# KiCad board Partial_Drawer_Controller_v1_hotfix.kicad_pcb (continued)
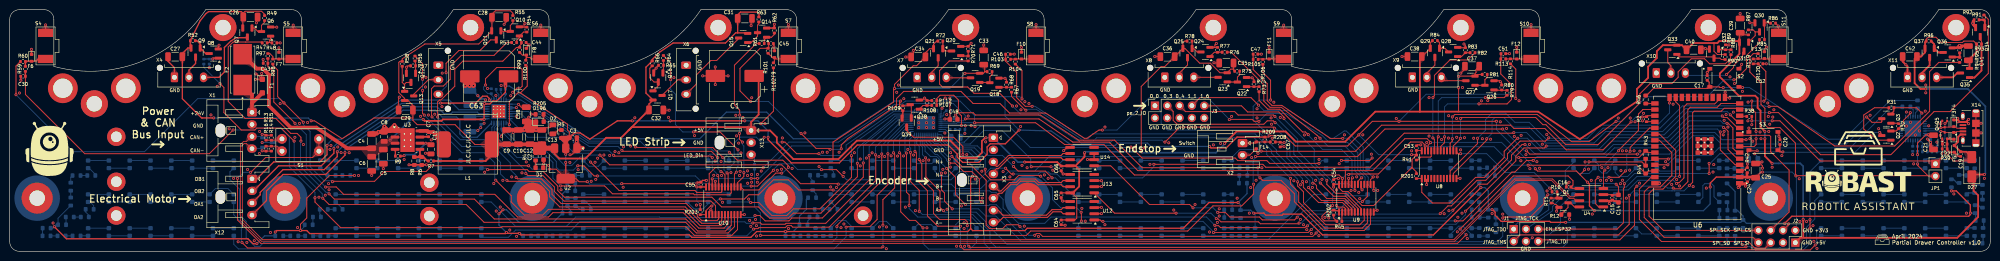
[diagram p0: board, top side]
## Routing (per net, layer and track width the routed paths; a pad name or vN(x,y) marks a point on that pad's centre or on a via; arc(x,y) is an arc through that point) (continued)
  Top w0.18: v1(299.4,23.4) 299.4,23.3 297.9,21.8 U8.14 ; 355.1,40.69 355.1,39.87 354.03,38.8 350.8,38.8 349.76,39.84 347,39.84 344.3,37.13 344.3,36 343,34.7 338.5,34.7 336.4,32.6 336.4,30.7 327.8,22.1 321.1,22.1 317,26.2 316.4,26.2 314.9,27.7 299.6,27.7 v1(299.4,27.5)
  Bottom w0.18: v1(299.4,27.5) v1(299.4,23.4)
Lock_7_Open_Control: length 83.1
  Top w0.18: v1(331.5,26.9) 325.9,22.71 322.3,22.7 317,26.9 315.2,28.3 298.2,28.3 v1(297.7,27.8) ; U8.15 297.25,22.35 297.7,22.8 v1(297.7,23.3) ; R85.1 361.09,43.19 358.4,40.5 358.4,37.8 356.1,35.5 v1(355.8,35.5)
  Bottom w0.18: v1(297.7,23.3) v1(297.7,27.8) ; v1(355.8,35.5) 353.8,35.5 350.3,32 337.76,32 332.66,26.9 v1(331.5,26.9)
Lock_7_VDD_Close: length 5.1
  Top w0.18: Q33.3 342.16,39.04 342.8,38.4 X10.2
Lock_7_VDD_Open: length 15.1
  Top w0.18: Q31.3 357.6,41.1 357.6,40.3 355.74,38.44 355.74,38.04 v1(354.3,36.6)
  Bottom w0.18: X10.3 346.3,36.4 354.1,36.4 v1(354.3,36.6)
Lock_8_Close_Control: length 133.7
  Top w0.18: U8.10 297.25,16.65 302.9,22.3 v1(302.9,23.4) 302.9,23.3 ; v1(363.06,29.93) 363.12,30 364.8,30 376.6,21.8 389,21.8 396.2,29 396.2,37.2 398.1,39.1 R94.1
  Bottom w0.18: v1(302.9,23.4) 304.55,25.05 304.55,27.25 305.9,28.6 308.7,28.6 310.6,26.7 313.55,26.7 317.35,22.9 326.2,22.9 328.8,25.5 340.6,25.5 345.2,30.1 362.2,30.1 362.37,29.93 v1(363.06,29.93)
Lock_8_Open_Control: length 146.6
  Top w0.18: U8.11 297.9,16.1 304.81,23.01 v1(304.81,23.31) ; R91.1 408.3,48 408.3,36.8 400.4,28.9 397.1,28.9 388.2,20 373.7,20 365,28.7 v1(363.1,28.7) 363.2,28.7
  Bottom w0.18: v1(363.1,28.7) 359.5,28.7 358.65,29.55 345.85,29.55 341.1,24.8 329.35,24.8 326.95,22.4 316.87,22.4 313.57,25.7 310.3,25.7 308.3,27.7 306.5,27.7 305.9,27.1 305.9,24.4 v1(304.81,23.31)
Lock_8_VDD_Close: length 4.8
  Top w0.35: Q37.3 396.2,38.5 394.63,36.93 X11.2
Lock_8_VDD_Open: length 5.3
  Top w0.35: Q35.3 401.9,36.9 401,36 X11.3
pe_0_~INT: length 238
  Top w0.18: v1(144.9,9.37) 144.64,9.37 143.7,8.43 U10.1 ; U6.4 356.07,17.9 353,20.97 v1(353,24.7) ; v1(169.93,12.69) 169.92,12.7 162.8,12.7 160.7,14.8 157.6,14.8 154.5,11.7 152.5,11.7 151.63,10.83 v1(146.67,10.83) ; v1(248.69,5.38) 248.77,5.3 249.47,5.3 249.87,4.9 267.24,4.9 267.42,5.08 267.62,5.08 v1(267.81,5.28) ; v1(298.3,6.3) 299.9,6.3 310,16.4 310.6,16.4 313.01,18.81 v1(314.4,18.81) ; R203.2 143.69,7.59
  Bottom w0.18: v1(353,24.7) 352.4,25.3 346.8,25.3 342.9,21.4 331.15,21.4 329.35,19.6 315.21,19.6 314.41,18.8 v1(314.4,18.81) ; v1(146.67,10.83) 146.36,10.83 v1(144.9,9.37) ; v1(298.3,6.3) 268.84,6.3 v1(267.81,5.28) ; v1(169.93,12.69) 170.1,12.52 202.24,12.52 202.56,12.2 203.54,12.2 205,10.74 205,8.97 208.17,5.8 213.6,5.8 214.9,7.1 246.97,7.1 v1(248.69,5.38) 248.6,5.29
pe_1_~INT: length 85.7
  Top w0.18: v1(311.2,23.4) 311.1,23.4 308.4,20.7 308.4,19.4 304.3,15.3 302.5,15.3 297.2,10 293.6,10 291.4,12.2 U8.1 291.38,15.05 R201.2 ; v1(354.38,26.49) 354.64,26.49 355.6,25.52 355.6,21.33 356.49,20.44 U6.6
  Bottom w0.18: v1(311.2,23.4) 313.17,23.4 315.87,20.7 328.6,20.7 330.7,22.8 342.4,22.8 346.6,27 353.07,27 353.58,26.49 v1(354.38,26.49)
pe_2_IO0_0: length 52.4
  Top w0.18: 267,14.4 266.84,14.4 v1(266.79,14.45) 266.79,14.18 266.96,14.01 266.96,13.24 270.1,10.1 275.04,10.1 276.27,8.86 U9.4
  Bottom w0.18: J3.1 237.6,28.88 237.6,26.5 239,25.1 257.3,25.1 261.4,21 261.4,20.4 266.79,15.01 v1(266.79,14.45)
pe_2_IO0_3: length 52.5
  Top w0.18: J3.3 240.1,28.92 240.1,27.1 240.9,26.3 258.8,26.3 259.5,27 260.75,27 v1(261.14,26.62) ; v1(270.45,14.15) 273.2,11.4 275.69,11.4 278.23,8.86 U9.7
  Bottom w0.18: v1(270.45,14.15) 270.21,14.39 270.21,14.89 265,20.1 265,22.9 261.28,26.62 v1(261.14,26.62)
pe_2_IO0_4: length 49
  Top w0.18: v1(271.8,14.7) 271.8,13.86 273.66,12 275.74,12 278.88,8.86 U9.8 ; v1(261.1,27.9) 260.8,28.2 253.5,28.2 252.8,28.9 242.66,28.9 J3.5
  Bottom w0.18: v1(271.8,14.7) 271.8,14.73 265.8,20.73 265.8,23.2 v1(261.1,27.9)
pe_2_IO1_1: length 50.2
  Top w0.18: v1(257.72,30.24) 256.15,31.8 245.62,31.8 J3.7 ; 281.1,15.4 v1(281.4,15.4) 280.82,14.83 U9.14
  Bottom w0.18: v1(281.4,15.4) 281.2,15.4 280.12,16.48 279.74,16.48 279.3,16.93 279.3,21.6 275.8,24.9 275.4,24.9 273,23.3 272.7,23.3 264.1,29.1 258.85,29.1 v1(257.72,30.24)
pe_2_IO1_6: length 41.7
  Top w0.18: v1(262.97,27.47) 262.97,27.77 261.9,28.83 255.47,28.83 254.2,30.1 246.54,30.1 J3.9 ; U9.19 277.57,12.62 v1(277.6,12.6)
  Bottom w0.18: v1(262.97,27.47) 262.97,27.33 269.2,21.1 269.2,18.2 273.4,14 276.23,14 277.6,12.63 v1(277.6,12.6) 277.68,12.68
pe_2_~INT: length 103.6
  Top w0.18: v1(272.2,6.9) 272.2,7.9 272.83,8.53 R202.2 273.57,8.53 273.7,8.4 274.05,8.4 U9.1 ; v1(312.7,22.1) 312.1,22.1 309.9,19.9 309.9,18.9 304.9,13.9 303.2,13.9 v1(297.8,8.5) ; U6.5 356.49,19.17 354.6,21.06 354.6,24.86 353.83,25.62 v1(353.67,25.62)
  Bottom w0.18: v1(297.8,8.5) 297.8,8.3 296.4,6.9 v1(272.2,6.9) ; v1(353.67,25.62) 353.34,25.95 346.55,25.95 342.7,22.1 330.95,22.1 329.05,20.2 314.7,20.2 312.8,22.1 v1(312.7,22.1)
RTS: length 7
  Top w0.18: v1(392.2,28.7) 392.2,28.5 390.8,27.1 390.8,26.39 R32.2 389.79,25.39 389.3,24.9 Q2.2
  Bottom w0.18: U5.24 392.25,28.65 v1(392.2,28.7)
RXD: length 2.3
  Bottom w0.18: U5.25 392.8,27.9 392.8,29.3 392.23,29.88 R29.2
RXD0: length 60.9
  Top w0.18: 339.45,19.06 339.53,19.14 342.26,19.14 v1(342.3,19.1)
  Bottom w0.18: 342.5,19.1 342.6,19.2 ; 342.5,19.1 v1(342.3,19.1) ; 342.5,19.1 347.3,23.9 351.5,23.9 353.2,22.2 379,22.2 388.02,31.23 R30.1
SCL: length 226.3
  Top w0.18: v1(313.33,17.83) 313.36,17.81 328.22,17.81 328.32,17.9 335.77,17.9 337.6,16.08 338.15,16.63 U6.36 ; U10.23 144.35,16.05 145.6,17.3 v1(155.5,17.3) ; v1(199.1,26.6) 211.7,26.6 217.7,22.1 225.8,22.1 232.1,15.8 274.32,15.8 275,15.12 v1(275,15.1) 275,13.88 274.98,13.85 ; v1(276.3,15.9) 276.3,16 ; 276.3,16 276.4,16.1 ; 276.3,16 282.45,16 289.07,22.62 291.44,22.62 292.1,21.96 v1(292.1,21.8) 292.1,20.85 U8.23
  Bottom w0.18: 275.1,15.2 v1(275,15.1) 275.8,15.9 v1(276.3,15.9) ; U7.42 195.32,26.4 195.54,26.62 199.08,26.62 v1(199.1,26.6) 199.1,28.1 196.1,31.1 184.9,31.1 183.9,30.4 182.6,30.4 171,22.6 160.8,22.6 v1(155.5,17.3) ; v1(292.1,21.8) 292.25,21.65 306.3,21.65 310.12,17.83 v1(313.33,17.83)
SDA: length 222.8
  Top w0.18: U8.22 292.7,21.96 v1(293.23,22.49) 293.23,22.56 292.49,23.3 287.9,23.3 281.3,16.7 275.62,16.7 ; v1(144.98,15) 144.98,13.35 U10.22 ; U9.22 275.62,16.7 ; v1(197.2,27.4) 212.4,27.4 219.4,22.6 226.9,22.6 232.8,16.7 275.62,16.7 ; U6.33 337.96,20.44 R43.2 336.2,19.4 v1(311.4,19.4) ; v1(153,15.1) v1(154.32,15.1)
  Bottom w0.18: v1(293.23,22.49) 293.29,22.55 307.85,22.55 311,19.4 v1(311.4,19.4) ; v1(153,15.1) 145.08,15.1 v1(144.98,15) ; v1(154.32,15.1) 154.65,15.1 161.35,21.8 171.2,21.8 182.7,29.8 184,29.8 185.1,30.6 194.7,30.6 197.2,28.1 v1(197.2,27.4) 196.8,27 195.38,27 195.18,26.8 U7.41
Sense_Input_Drawer_Closed_1: length 24.9
  Top w0.18: v1(268.02,13.2) 268.02,13.18 270.7,10.5 275.29,10.5 276.93,8.86 U9.5 ; R208.1 262.14,22.63 C67.1 262.27,22.5 v1(263,22.5)
  Bottom w0.18: v1(263,22.5) 263.57,21.93 263.57,19.33 268.3,14.6 268.3,13.53 268.23,13.46 268.23,13.41 v1(268.02,13.2)
Sense_Lock_1: length 176.8
  Top w0.18: U10.11 150.2,4.5 149.01,3.31 141.28,3.31 139.5,5.1 101.6,5.1 101.4,4.9 68.3,4.9 63,10.2 v1(63,11.1) ; C30.1 3.24,32.46 15.5,20.2 41.2,20.2 v1(46.1,25.1)
  Top w0.25: R59.1 C30.1
  Bottom w0.18: v1(63,11.1) 63,12.2 57.7,17.5 57.7,23.7 55.9,25.5 50.99,25.5 50.6,25.11 46.11,25.11 v1(46.1,25.1)
Sense_Lock_2: length 121.4
  Top w0.18: v1(65.2,13.3) 65.22,13.32 67.38,13.32 68.9,11.8 100.1,11.8 104.8,7.1 111.2,7.1 112.1,8 139,8 142.2,4.8 147.4,4.8 148.25,5.65 U10.8 ; 53,39.9 R97.1 53.28,38.32 54.5,37.1 54.5,30.9 58.89,26.51 v1(58.89,26.48)
  Bottom w0.18: v1(58.89,26.48) 61.2,24.16 61.2,17.3 v1(65.2,13.3)
Sense_Lock_3: length 97.7
  Top w0.18: C44.1 105.6,42.9 105.22,42.52 R99.1 104.59,42.19 101.75,39.35 93.5,39.35 91.85,37.7 91.85,34.17 88.98,31.3 88.69,31.3 88.31,30.92 88.31,27.81 v1(88.3,27.8) ; U10.5 146.3,6.7 146,6.4 142.77,6.4 141.89,7.28 141.89,7.61 139.6,9.9 113.8,9.9 111.9,11.8 111.9,12.8 109.7,15 104.8,15 v1(104.5,15.3)
  Bottom w0.18: v1(104.5,15.3) 104.5,15.7 103.3,16.9 103.3,18.3 98.5,23.1 93,23.1 v1(88.3,27.8)
Sense_Lock_4: length 173.3
  Top w0.18: v1(257.8,26.9) 256.8,26.9 256.4,27.3 251.72,27.3 v1(251.68,27.26) ; U9.17 278.88,12.93 v1(279.08,12.72) ; v1(225.5,25.1) 224.8,25.1 224.2,24.7 222.28,23.38 221.8,23.38 213.79,28.61 206.33,28.61 204.34,30.6 198.8,30.6 196.3,33.1 184.5,33.1 183,31.6 183,30.2 172.9,23.3 171.6,22 v1(171.6,21.2) ; v1(169.31,21.1) 169.11,21.3 166.4,21.3 v1(163.3,24.4) ; v1(152.9,31) 150.7,33.2 150.7,37.85 154.86,42.01 R101.1 156.62,42.13 C45.1
  Bottom w0.18: v1(225.5,25.1) 228.5,25.1 235.2,31.8 247.2,31.8 251.68,27.32 v1(251.68,27.26) ; v1(163.3,24.4) 163.2,24.4 156.6,31 v1(152.9,31) ; v1(279.08,12.72) 279.08,12.73 279.7,13.35 279.7,15.35 278.2,16.85 278.2,20.4 276.1,22.5 272.3,22.5 270.8,24 263.4,28.5 259.4,28.5 v1(257.8,26.9) ; v1(171.6,21.2) 171.5,21.1 v1(169.31,21.1)
Sense_Lock_5: length 97.2
  Top w0.18: v1(265.78,14.4) 265.78,13.52 267,12.3 267,10.07 271.57,5.5 278.6,5.5 279.52,6.42 U9.9 ; C46.1 205.51,40.77 R103.1 205.51,39.34 207.8,37.05 207.8,31.79 209.59,30 v1(211,30)
  Bottom w0.18: v1(211,30) 211.6,30 221.8,23.3 222.5,23.3 223.5,24.3 257,24.3 260.4,20.9 260.4,20.3 265.78,14.92 v1(265.78,14.4)
Sense_Lock_6: length 44.5
  Top w0.18: C47.1 R105.1 256.6,37.6 259.5,34.7 259.5,31.17 260.47,30.2 262.5,30.2 272.5,23.38 v1(275.1,23.38) 275.3,23.38 ; v1(281.5,12.6) 281.48,12.62 281.48,13.85
  Bottom w0.18: v1(275.1,23.38) 275.12,23.4 276.2,23.4 278.7,20.9 278.7,16.99 280.35,15.34 280.35,13.75 v1(281.5,12.6)
Sense_Lock_7: length 34.3
  Top w0.18: U8.18 295.3,21.7 296.1,22.5 v1(296.1,23.7) ; v1(303.2,30.5) 309,30.5 309.9,31.4 309.9,34.5 307.7,36.7 R113.1 307.74,39.84 C51.1
  Bottom w0.18: v1(303.2,30.5) 296.7,30.5 296.1,29.9 v1(296.1,23.7)
Sense_Lock_8: length 25
  Top w0.18: v1(360.38,24.8) 360.3,24.88 360.3,28.7 359.5,29.5 v1(359.5,31.1) ; U6.7 360.01,21.71 360.39,22.09 360.39,23.14 360.38,23.15 v1(360.38,23.3) ; R119.1 360.81,38.79 C52.1 362.4,37.22 362.4,31.48 v1(361.99,31.07)
  Bottom w0.18: v1(361.99,31.07) 359.53,31.07 v1(359.5,31.1) ; v1(360.38,24.8) v1(360.38,23.3)
SPI_CS: length 29.2
  Top w0.18: J2.6 367.2,8.14 367.2,16.8 363.4,20.6 363.4,23.75 363.15,24 357.25,24 U6.9
SPI_SCK: length 46.5
  Top w0.18: J2.8 341.26,4.34 338.3,7.3 338.3,11.97 339.21,12.88 341.18,12.88 343.8,15.5 343.8,20.9 340.45,24.25 U6.30
SPI_SI: length 40.6
  Top w0.18: U6.37 338.76,15.36 336.3,12.9 336.3,6.6 340.88,2.03 358.77,2.03 360.1,0.7 360.34,0.7 360.39,0.66 362.26,0.66 J2.5
SPI_SO: length 47.4
  Top w0.18: J2.7 359.76,2.9 341.4,2.9 337.3,7 337.3,12.3 338.3,13.3 340.6,13.3 343,15.7 343,20.41 340.43,22.98 U6.31
SW: length 6.3
  Top w0.75: L1.1 89.6,22.5 87.44,24.66 C7.2 86.17,24.91 U3.8
TWAI_RX: length 22.4
  Top w0.18: 328.9,13.03 U4.4 328.89,13.02 328.89,16.52 v1(329.19,16.81) 329.01,16.81 ; U6.26 337.03,29.33 336.1,28.4 336.1,25 332,20.9 v1(332,20.8)
  Bottom w0.18: v1(329.19,16.81) 329.19,17.99 v1(332,20.8)
TWAI_TX: length 25.9
  Top w0.18: v1(334.4,20.71) 334.4,21.5 338.42,25.52 U6.29 ; U4.1 327.9,9.2 327.2,9.9 327.2,14.72 v1(327.8,15.32) ; v1(333.45,16.65) 332.11,15.31 v1(330.01,15.31)
  Bottom w0.18: v1(334.4,20.71) 333.7,20.01 333.7,18.2 333.71,18.19 333.71,16.91 v1(333.45,16.65) ; v1(327.8,15.32) 330,15.32 v1(330.01,15.31)
TXD: length 1.9
  Bottom w0.18: 393.7,29.58 393.7,29.1 393.25,28.65 U5.26
TXD0: length 56.2
  Top w0.18: v1(342.19,17.9) 339.56,17.9 339.45,17.79
  Bottom w0.18: R29.1 388.27,29.9 385.31,26.94 385.31,26.91 379.8,21.4 352.7,21.4 351.1,19.8 344,19.8 342.19,17.99 v1(342.19,17.9)
UART2_RX: length 253.4
  Top w0.18: v1(334.6,26.8) 328.8,21 321.21,21 316.81,25.4 310.43,25.4 309.73,26.1 283.1,26.1 277.7,20.7 258.3,20.7 v1(258.25,20.75) ; v1(171,13.9) 170.9,14 163.2,14 159.31,17.89 123.82,17.89 v1(121.81,19.91) ; v1(336.9,27.8) 336.94,27.84 R2.1 337.98,28.06 U6.27 339.28,27.84
  Bottom w0.18: v1(121.81,19.91) 121.79,19.92 119.82,19.92 119.44,20.3 116.5,20.3 113.2,23.6 106.91,23.6 103.31,27.2 U11.14 ; v1(171,13.9) 194.3,13.9 195.2,13 200.4,13 202.2,14.8 204.4,14.8 206.21,16.61 211.51,16.61 214.5,19.6 252.36,19.6 253.8,21.04 257.96,21.04 v1(258.25,20.75) ; v1(334.6,26.8) 334.6,26.83 335.57,27.8 v1(336.9,27.8)
USB_D+: length 8.4
  Top w0.153: v1(398.5,25.6) 399.2,25.6 Q5.3 401.6,25.7 401.82,25.48 X14.3
  Bottom w0.153: 398.4,25.4 398.5,25.5 v1(398.5,25.6)
  Bottom w0.2: v1(398.5,25.6) 398.28,25.38 395.22,25.38 U5.4
USB_D-: length 8.3
  Top w0.153: v1(398.5,24.8) 399.1,24.8 Q4.3 401.6,24.6 401.82,24.83 X14.2
  Bottom w0.153: 398.4,24.9 v1(398.5,24.8)
  Bottom w0.2: v1(398.5,24.8) 398.38,24.92 395.22,24.92 U5.5
VCP: length 1.4
  Bottom w0.18: U11.6 101.94,31.84 102.3,32.2 C59.2
Vref: length 320.1
  Top w0.18: 47,15 v1(47,15.1) 47,6.5 51.85,1.65 298.78,1.65 v1(300.56,3.44) ; v1(299.3,4.61) 310.29,15.6 321.6,15.6 322.6,14.6 322.6,13.72 C16.1 322.48,13.01 U4.5 ; v1(49.7,16.35) 49.75,16.35 52.8,19.4 62.48,19.4 S1.4 S1.3
  Bottom w0.18: v1(299.3,4.61) 300.47,3.44 v1(300.56,3.44) ; v1(47,15.1) 48.25,16.35 v1(49.7,16.35)
Net-(D1-A): length 1.5
  Top w0.25: 108.52,18.82 D1.2
Net-(D2-A): length 2.1
  Top w0.18: 113.86,25.1 113.21,25.1 112.4,24.3 D2.2
Net-(D3-A): length 2.2
  Bottom w0.18: R20.2 17.33,9.48 16.59,10.21 D3.2
Net-(D3-K): length 4.3
  Bottom w0.18: D4.2 D3.1
Net-(D4-K): length 4.3
  Bottom w0.18: D5.2 D4.1
Net-(D5-K): length 4.3
  Bottom w0.18: D6.2 D5.1
Net-(D6-K): length 4.3
  Bottom w0.18: D7.2 D6.1
Net-(D7-K): length 4.3
  Bottom w0.18: D8.2 D7.1
Net-(D8-K): length 3.6
  Bottom w0.18: D9.2 D8.1
Net-(D10-A): length 6
  Bottom w0.18: D9.1 42.45,12.99 45.04,12.99 D10.2
Net-(D11-A): length 2.3
  Bottom w0.18: 17.66,15.69 17.66,15.94 16.39,17.21 D11.2
Net-(D11-K): length 4.3
  Bottom w0.18: D12.2 D11.1
Net-(D12-K): length 4.3
  Bottom w0.18: D13.2 D12.1
Net-(D13-K): length 4.3
  Bottom w0.18: D14.2 D13.1
Net-(D14-K): length 4.3
  Bottom w0.18: D15.2 D14.1
Net-(D15-K): length 4.3
  Bottom w0.18: D16.2 D15.1
Net-(D16-K): length 4.3
  Bottom w0.18: D17.2 D16.1
Net-(D17-K): length 4.3
  Bottom w0.18: D18.2 D17.1
Net-(D19-A): length 1.5
  Bottom w0.18: D19.2 65.76,3.21 R28.2
Net-(D19-K): length 4.3
  Bottom w0.18: D20.2 D19.1
Net-(D20-K): length 4.3
  Bottom w0.18: D21.2 D20.1
Net-(D21-K): length 4.3
  Bottom w0.18: D22.2 D21.1
Net-(D22-K): length 4.3
  Bottom w0.18: D23.2 D22.1
Net-(D23-K): length 4.3
  Bottom w0.18: D24.2 D23.1
Net-(D24-K): length 4.3
  Bottom w0.18: D25.2 D24.1
Net-(D25-K): length 4.3
  Bottom w0.18: D26.2 D25.1
Net-(D28-A): length 1.6
  Bottom w0.18: D28.2 14.64,3.21 R118.2
Net-(D28-K): length 4.3
  Bottom w0.18: D29.2 D28.1
Net-(D29-K): length 4.3
  Bottom w0.18: D30.2 D29.1
Net-(D30-K): length 4.3
  Bottom w0.18: D31.2 D30.1
Net-(D31-K): length 4.3
  Bottom w0.18: D32.2 D31.1
Net-(D32-K): length 4.3
  Bottom w0.18: D33.2 D32.1
Net-(D33-K): length 4.3
  Bottom w0.18: D34.2 D33.1
Net-(D34-K): length 4.3
  Bottom w0.18: D35.2 D34.1
Net-(D36-A): length 2.1
  Bottom w0.18: D36.2 67.29,10.21 68.7,8.8 R124.2
Net-(D36-K): length 4.3
  Bottom w0.18: D37.2 D36.1
Net-(D37-K): length 4.3
  Bottom w0.18: D38.2 D37.1
Net-(D38-K): length 4.3
  Bottom w0.18: D39.2 D38.1
Net-(D39-K): length 4.3
  Bottom w0.18: D40.2 D39.1
Net-(D40-K): length 4.3
  Bottom w0.18: D41.2 D40.1
Net-(D41-K): length 4.3
  Bottom w0.18: D42.2 D41.1
Net-(D42-K): length 4.3
  Bottom w0.18: D43.2 D42.1
Net-(D44-A): length 1.6
  Bottom w0.18: D44.2 65.74,17.21 R128.2
Net-(D44-K): length 4.3
  Bottom w0.18: D45.2 D44.1
Net-(D45-K): length 4.3
  Bottom w0.18: D46.2 D45.1
Net-(D46-K): length 4.3
  Bottom w0.18: D47.2 D46.1
Net-(D47-K): length 4.3
  Bottom w0.18: D48.2 D47.1
Net-(D48-K): length 4.3
  Bottom w0.18: D49.2 D48.1
Net-(D49-K): length 4.3
  Bottom w0.18: D50.2 D49.1
Net-(D50-K): length 4.3
  Bottom w0.18: D51.2 D50.1
Net-(D52-A): length 1.6
  Bottom w0.25: 116.78,3.2 118.34,3.2 D52.2
Net-(D52-K): length 4.3
  Bottom w0.18: D53.2 D52.1
Net-(D53-K): length 4.3
  Bottom w0.18: D54.2 D53.1
Net-(D54-K): length 4.3
  Bottom w0.18: D55.2 D54.1
Net-(D55-K): length 4.3
  Bottom w0.18: D56.2 D55.1
Net-(D56-K): length 4.3
  Bottom w0.18: D57.2 D56.1
Net-(D57-K): length 4.3
  Bottom w0.18: D58.2 D57.1
Net-(D58-K): length 4.3
  Bottom w0.18: D59.2 D58.1
Net-(D60-A): length 2.5
  Bottom w0.25: R136.2 119.93,9.27 118.99,10.21 D60.2
Net-(D60-K): length 4.3
  Bottom w0.18: D61.2 D60.1
Net-(D61-K): length 4.3
  Bottom w0.18: D62.2 D61.1
Net-(D62-K): length 4.3
  Bottom w0.18: D63.2 D62.1
Net-(D63-K): length 4.3
  Bottom w0.18: D64.2 D63.1
Net-(D64-K): length 4.3
  Bottom w0.18: D65.2 D64.1
Net-(D65-K): length 5.7
  Bottom w0.18: D66.2 144.13,9.83 143.1,8.8 141.25,8.8 D65.1
Net-(D66-K): length 4.6
  Bottom w0.18: D67.2 148.11,12.1 144.44,12.1 D66.1
Net-(D68-A): length 2.1
  Bottom w0.25: 119.43,15.7 119.43,16.38 118.59,17.21 D68.2
Net-(D68-K): length 5.3
  Bottom w0.18: D69.2 121.47,17.6 119.54,17.6 D68.1
Net-(D69-K): length 4.3
  Bottom w0.18: D70.2 D69.1
Net-(D70-K): length 4.3
  Bottom w0.18: D71.2 D70.1
Net-(D71-K): length 4.3
  Bottom w0.18: D72.2 D71.1
Net-(D72-K): length 4.3
  Bottom w0.18: D73.2 D72.1
Net-(D73-K): length 4.3
  Bottom w0.18: D74.2 D73.1
Net-(D74-K): length 6.3
  Bottom w0.18: D75.2 148.42,19.38 147.7,20.1 144.5,20.1 144.13,19.73 D74.1
Net-(D76-A): length 1.8
  Bottom w0.18: R144.2 169.41,3.17 D76.2 169.45,2.95
Net-(D76-K): length 5.8
  Bottom w0.18: D77.2 173.74,5.16 172.55,6.35 171.01,6.35 D76.1
Net-(D77-K): length 4.3
  Bottom w0.18: D78.2 D77.1
Net-(D78-K): length 5.5
  Bottom w0.18: D78.1 179.45,6.2 180.92,6.2 D79.2
Net-(D79-K): length 4.3
  Bottom w0.18: D80.2 D79.1
Net-(D80-K): length 4.9
  Bottom w0.18: D81.2 190.19,5.52 187.36,5.52 D80.1
Net-(D81-K): length 4.3
  Bottom w0.18: D82.2 D81.1
Net-(D82-K): length 6.3
  Bottom w0.18: D83.2 199.51,4.99 197.95,6.55 196.25,6.55 195.22,5.52 D82.1
Net-(D84-A): length 2.1
  Bottom w0.18: D84.2 170.83,8.83 R148.2
Net-(D84-K): length 4.3
  Bottom w0.18: D85.2 D84.1
Net-(D85-K): length 4.3
  Bottom w0.18: D86.2 D85.1
Net-(D86-K): length 4.3
  Bottom w0.18: D87.2 D86.1
Net-(D87-K): length 4.3
  Bottom w0.18: D88.2 D87.1
Net-(D88-K): length 4.3
  Bottom w0.18: D89.2 D88.1
Net-(D89-K): length 4.3
  Bottom w0.18: D90.2 D89.1
Net-(D90-K): length 4.3
  Bottom w0.18: D91.2 D90.1
Net-(D92-A): length 1.7
  Bottom w0.18: R152.2 170,16.5 169.45,17.05 D92.2
Net-(D92-K): length 4.3
  Bottom w0.18: D93.2 D92.1
Net-(D93-K): length 4.6
  Bottom w0.18: D94.2 177.72,16.9 174.06,16.9 D93.1
Net-(D94-K): length 4.3
  Bottom w0.18: D95.2 D94.1
Net-(D95-K): length 4.3
  Bottom w0.18: D96.2 D95.1
Net-(D96-K): length 4.8
  Bottom w0.18: D97.2 190.28,18.15 187.26,18.15 D96.1
Net-(D97-K): length 6.1
  Bottom w0.18: D97.1 190.92,16.58 191.97,15.52 193.62,15.52 195.22,17.12 D98.2
Net-(D98-K): length 6.5
  Bottom w0.18: D98.1 195.22,19.72 196.1,20.6 197.9,20.6 199.51,18.99 D99.2
Net-(D100-A): length 1.8
  Bottom w0.18: 252.4,4.85 252.34,4.79 D100.2
Net-(D100-K): length 4.3
  Bottom w0.18: D101.2 D100.1
Net-(D101-K): length 4.3
  Bottom w0.18: D102.2 D101.1
Net-(D102-K): length 4.3
  Bottom w0.18: D103.2 D102.1
Net-(D103-K): length 4.3
  Bottom w0.18: D104.2 D103.1
Net-(D104-K): length 4.3
  Bottom w0.18: D105.2 D104.1
Net-(D105-K): length 4.3
  Bottom w0.18: D106.2 D105.1
Net-(D106-K): length 4.3
  Bottom w0.18: D107.2 D106.1
Net-(D108-A): length 1.6
  Bottom w0.18: 252.2,11.8 252.19,11.79 D108.2
Net-(D108-K): length 4.3
  Bottom w0.18: D108.1 D109.2
Net-(D109-K): length 4.3
  Bottom w0.18: D109.1 D110.2
Net-(D110-K): length 4.3
  Bottom w0.18: D110.1 D111.2
Net-(D111-K): length 4.3
  Bottom w0.18: D111.1 D112.2
Net-(D112-K): length 4.3
  Bottom w0.18: D112.1 D113.2
Net-(D113-K): length 4.3
  Bottom w0.18: D113.1 D114.2
Net-(D114-K): length 4.3
  Bottom w0.18: D114.1 D115.2
Net-(D116-A): length 1.6
  Bottom w0.18: D116.2 252.19,18.79
Net-(D116-K): length 4.3
  Bottom w0.18: D116.1 D117.2
Net-(D117-K): length 4.3
  Bottom w0.18: D117.1 D118.2
Net-(D118-K): length 4.3
  Bottom w0.18: D118.1 D119.2
Net-(D119-K): length 4.3
  Bottom w0.18: D119.1 D120.2
Net-(D120-K): length 4.3
  Bottom w0.18: D120.1 D121.2
Net-(D121-K): length 4.3
  Bottom w0.18: D121.1 D122.2
Net-(D122-K): length 4.3
  Bottom w0.18: D122.1 D123.2
Net-(D124-A): length 1.6
  Bottom w0.18: D124.2 303.24,4.79 R168.2
Net-(D124-K): length 6.3
  Bottom w0.18: D125.2 297.4,3.6 297.86,4.06 297.87,4.06 298.16,4.35 298.16,4.36 299,5.2 299.9,5.2 301.69,3.41 D124.1
Net-(D125-K): length 4.3
  Bottom w0.18: D126.2 D125.1
Net-(D126-K): length 4.3
  Bottom w0.18: D127.2 D126.1
Net-(D127-K): length 4.3
  Bottom w0.18: D128.2 D127.1
Net-(D128-K): length 4.3
  Bottom w0.18: D129.2 D128.1
Net-(D129-K): length 4.3
  Bottom w0.18: D130.2 D129.1
Net-(D130-K): length 4.3
  Bottom w0.18: D131.2 D130.1
Net-(D132-A): length 1.5
  Bottom w0.18: D132.2 303.23,11.79
Net-(D132-K): length 4.3
  Bottom w0.18: D133.2 D132.1
Net-(D133-K): length 4.3
  Bottom w0.18: D134.2 D133.1
Net-(D134-K): length 4.3
  Bottom w0.18: D135.2 D134.1
Net-(D135-K): length 4.3
  Bottom w0.18: D136.2 D135.1
Net-(D136-K): length 4.3
  Bottom w0.18: D137.2 D136.1
Net-(D137-K): length 4.5
  Bottom w0.18: D137.1 279.93,11.5 276.21,11.5 D138.2
Net-(D138-K): length 5.6
  Bottom w0.18: D138.1 274.61,8.9 272.5,8.9 271.63,9.77 D139.2
Net-(D140-A): length 1.6
  Bottom w0.18: D140.2 303.26,18.79 R176.2
Net-(D140-K): length 4.3
  Bottom w0.18: D141.2 D140.1
Net-(D141-K): length 4.3
  Bottom w0.18: D142.2 D141.1
Net-(D142-K): length 4.3
  Bottom w0.18: D143.2 D142.1
Net-(D143-K): length 4.3
  Bottom w0.18: D144.2 D143.1
Net-(D144-K): length 4.3
  Bottom w0.18: D145.2 D144.1
Net-(D145-K): length 8.9
  Top w0.18: v1(274.8,18.8) 280.64,18.8 v1(281.16,19.32)
  Bottom w0.18: v1(281.16,19.32) 280.63,18.79 D145.1 ; D146.2 275.91,18.8 v1(274.8,18.8)
Net-(D146-K): length 4.3
  Bottom w0.18: D147.2 D146.1
Net-(D148-A): length 1.6
  Bottom w0.18: D148.2 354.33,4.79 R180.2
Net-(D148-K): length 4.3
  Bottom w0.18: D149.2 D148.1
Net-(D149-K): length 4.3
  Bottom w0.18: D150.2 D149.1
Net-(D150-K): length 4.3
  Bottom w0.18: D151.2 D150.1
Net-(D151-K): length 5.3
  Bottom w0.18: D152.2 336.79,3.6 338.71,3.6 D151.1
Net-(D152-K): length 4.3
  Bottom w0.18: D153.2 D152.1
Net-(D153-K): length 4.3
  Bottom w0.18: D154.2 D153.1
Net-(D154-K): length 4.3
  Bottom w0.18: D155.2 D154.1
Net-(D156-A): length 1.8
  Bottom w0.25: 354.52,11.83 354.48,11.79 D156.2
Net-(D156-K): length 10.2
  Bottom w0.18: D156.1 351.7,11.3 351.7,13.5 351.2,14 349.8,14 349.4,13.6 349.4,11.12 D157.2
Net-(D157-K): length 4.3
  Bottom w0.18: D158.2 D157.1
Net-(D158-K): length 4.3
  Bottom w0.18: D159.2 D158.1
Net-(D159-K): length 4.3
  Bottom w0.18: D160.2 D159.1
Net-(D160-K): length 4.3
  Bottom w0.18: D161.2 D160.1
Net-(D161-K): length 4.3
  Bottom w0.18: D162.2 D161.1
Net-(D162-K): length 4.3
  Bottom w0.18: D163.2 D162.1
Net-(D164-A): length 1.6
  Bottom w0.18: R188.2 352.81,18.82 D164.2
Net-(D164-K): length 4.3
  Bottom w0.18: D165.2 D164.1
Net-(D165-K): length 4.3
  Bottom w0.18: D166.2 D165.1
Net-(D166-K): length 4.8
  Bottom w0.18: D167.2 340.51,16.6 343.58,16.6 D166.1
Net-(D167-K): length 4.3
  Bottom w0.18: D168.2 D167.1
Net-(D168-K): length 6.3
  Bottom w0.18: D168.1 333.89,15.5 332.1,15.5 331.31,16.29 D169.2
Net-(D169-K): length 7.5
  Bottom w0.18: D170.2 327.9,17.9 327.9,16.9 328.6,16.2 329.6,16.2 330.4,17 330.4,17.88 D169.1
Net-(D170-K): length 5.2
  Bottom w0.18: D170.1 325.9,16.1 323.83,16.1 D171.2
Net-(D172-A): length 1.7
  Bottom w0.25: 405.58,4.85 403.93,4.85 D172.2
Net-(D172-K): length 4.3
  Bottom w0.18: D173.2 D172.1
Net-(D173-K): length 4.3
  Bottom w0.18: D174.2 D173.1
Net-(D174-K): length 4.3
  Bottom w0.18: D175.2 D174.1
Net-(D175-K): length 4.3
  Bottom w0.18: D176.2 D175.1
Net-(D176-K): length 4.3
  Bottom w0.18: D177.2 D176.1
Net-(D177-K): length 4.3
  Bottom w0.18: D178.2 D177.1
Net-(D178-K): length 4.3
  Bottom w0.18: D179.2 D178.1
Net-(D180-A): length 1.7
  Bottom w0.25: R196.2 404.17,12.09 D180.2
Net-(D180-K): length 4.3
  Bottom w0.18: D181.2 D180.1
Net-(D181-K): length 4.3
  Bottom w0.18: D182.2 D181.1
Net-(D182-K): length 4.3
  Bottom w0.18: D183.2 D182.1
Net-(D183-K): length 4.3
  Bottom w0.18: D184.2 D183.1
Net-(D184-K): length 4.3
  Bottom w0.18: D185.2 D184.1
Net-(D185-K): length 4.3
  Bottom w0.18: D186.2 D185.1
Net-(D186-K): length 4.3
  Bottom w0.18: D187.2 D186.1
Net-(D188-A): length 1.6
  Bottom w0.25: R200.2 403.91,18.83 D188.2
Net-(D188-K): length 4.3
  Bottom w0.18: D189.2 D188.1
Net-(D189-K): length 4.7
  Bottom w0.18: D190.2 395.74,19.24 399.12,19.24 D189.1
Net-(D190-K): length 4.3
  Bottom w0.18: D191.2 D190.1
Net-(D191-K): length 4.3
  Bottom w0.18: D192.2 D191.1
Net-(D192-K): length 4.3
  Bottom w0.18: D193.2 D192.1
Net-(D193-K): length 4.3
  Bottom w0.18: D194.2 D193.1
Net-(D194-K): length 4.3
  Bottom w0.18: D195.2 D194.1
Net-(D196-A): length 1.5
  Top w0.18: D196.2 110.2,28.32 R205.2
Net-(F6-A2): length 5.4
  Top w0.25: R59.2 3.24,38.25 R60.2 3.3,39.33 F6.2 5.37,39.33 5.4,39.3 5.9,39.8 S4.1
Net-(F7-A2): length 6
  Top w0.18: S5.1 54.32,39.8 R98.2 54.3,40.3 53.68,40.92 R97.2
